# Altium PCB RFSoC-AMC.PcbDoc (part 7 of 12)
Units mm, origin at the board's own origin, x right, y up, seen from the top; angles counter-clockwise.
Board outline 180.55 x 148.45 mm, 10 copper layers (Layer 1, Layer 2, Layer 3, Layer 4, Layer 5, Layer 6, Layer 7, Layer 8, Layer 9, Layer 10), stack 1.544 mm thick; 793 components, 796 nets, 7654 pads, 16 vias.
Unrouted connection lines stored in the file: 2880.
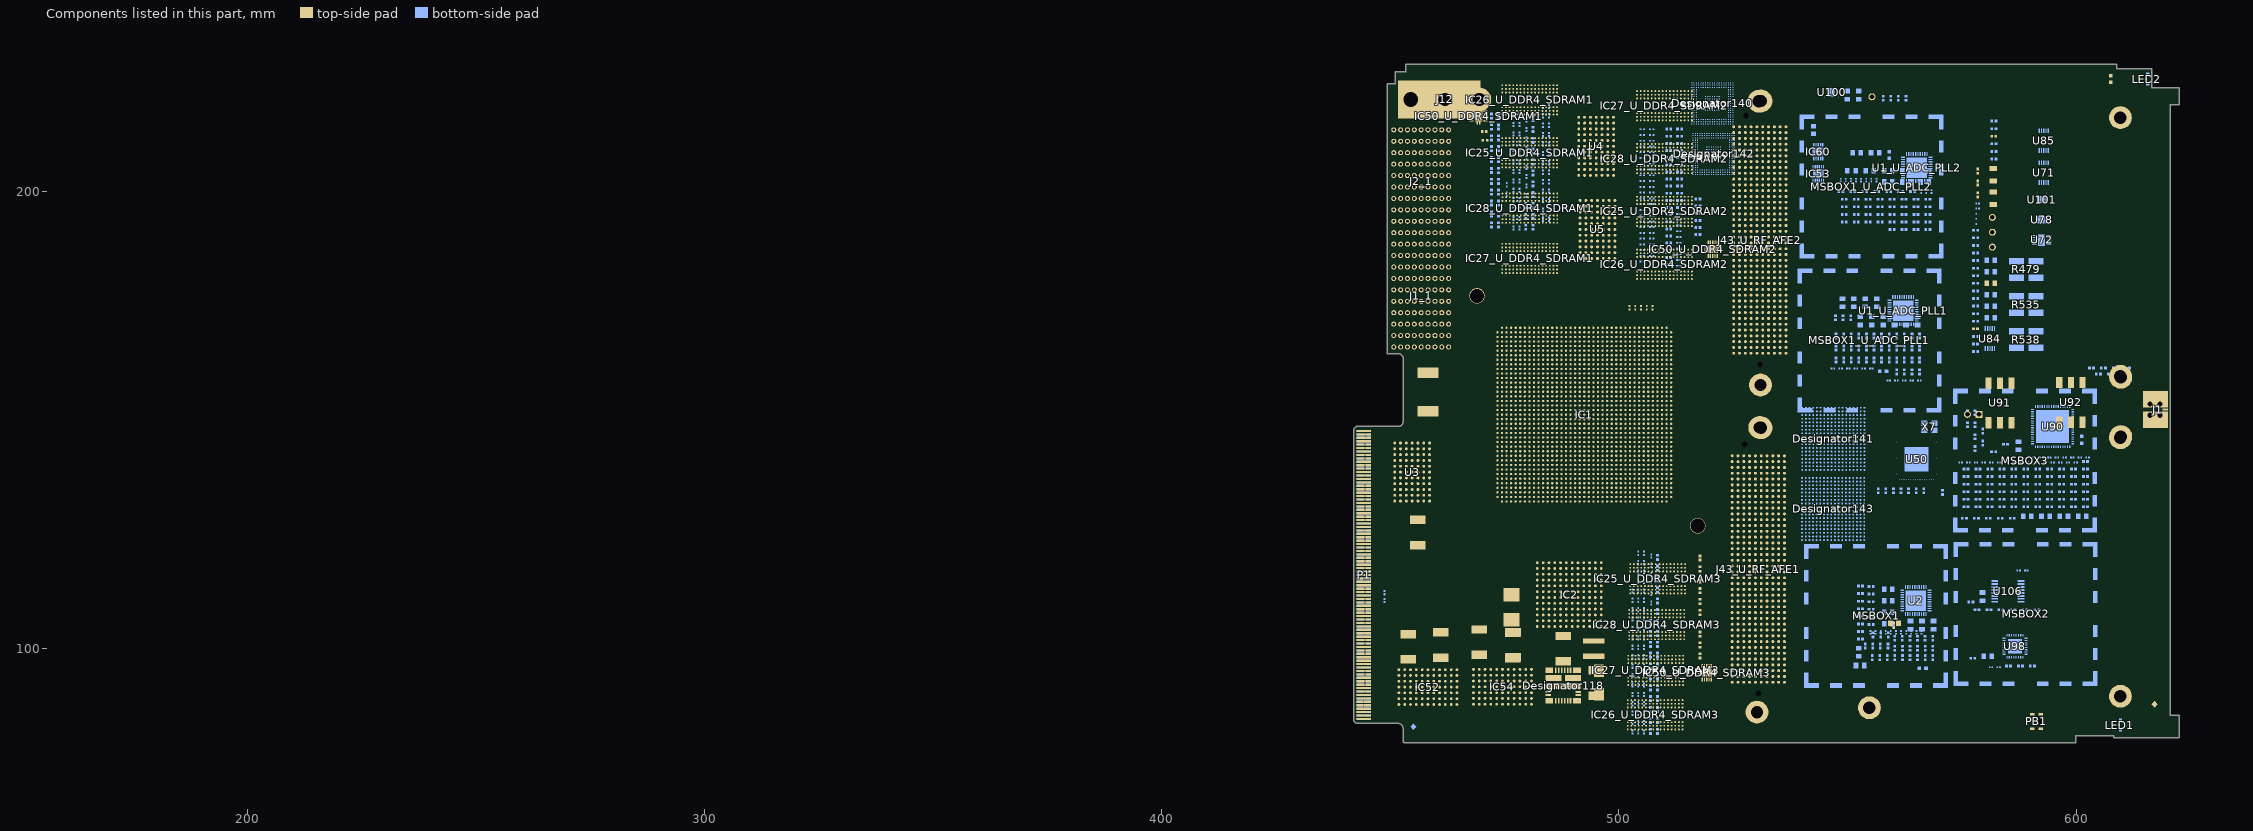
[diagram p15: the components of this part, seen from the top]

## Via types
v1: diameter 0.61, hole 0.3, Layer 1 to Layer 10, 11 vias
v2: diameter 0.51, hole 0.25, Layer 1 to Layer 10, 3 vias
v3: diameter 0.48, hole 0.25, Layer 1 to Layer 10, 2 vias

## Nets (pads, with @x,y where several pads share a name; then routed paths per layer and width w, separated by ;. In a path a pad name is that pad's centre, name@x,y a point inside that pad or via, vN(x,y) a via of type N, cw(c..) or ccw(c..) an arc to the next point about the centre after c; other vN are vias at no path point) (continued)
pads on no net: U4.B2 U4.B3 U4.B4 U4.B5 U4.B6 U4.B7 U4.C1 U4.C2 U4.C3 U4.C4 U4.C5 U4.C6 U4.C7 U4.D1 U4.D2 U4.D3 U4.D4 U4.D5 U4.D6 U4.D7 U4.E1 U4.E2 U4.E3 U4.E4 U4.E5 U4.E6 U4.E7 U4.F1 U4.F2 U4.F3 U4.F4 U4.F5 U4.F6 U4.F7 U4.G1 U4.G2 U4.G3 U4.G4 U4.G5 U4.G6 U4.G7 U4.H1 U4.H2 U4.H3 U4.H4 U4.H5 U4.H6 U4.H7 U4.J1 U4.J2 U4.J3 U4.J4 U4.J5 U4.J6 U4.J7 U4.K1 U4.K2 U4.K3 U4.K4 U4.K5 U4.K6 U4.K7 U4.L1 U4.L2 U4.L3 U4.L4 U4.L5 U4.L6 U4.L7 U5.A1 U5.A2 U5.A3 U5.A4 U5.A5 U5.A6 U5.A7 U5.B1 U5.B2 U5.B3 U5.B4 U5.B5 U5.B6 U5.B7 U5.C1 U5.C2 U5.C3 U5.C4 U5.C5 U5.C6 U5.C7 U5.D1 U5.D2 U5.D3 U5.D4 U5.D5 U5.D6 U5.D7 U5.E1 U5.E2 U5.E3 U5.E4 U5.E5 U5.E6 U5.E7 U5.F1 U5.F2 U5.F3 U5.F4 U5.F5 U5.F6 U5.F7 U5.G1 U5.G2 U5.G3 U5.G4 U5.G5 U5.G6 U5.G7 U5.H1 U5.H2 U5.H3 U5.H4 U5.H5 U5.H6 U5.H7 U5.J1 U5.J2 U5.J3 U5.J4 U5.J5 U5.J6 U5.J7 U5.K1 U5.K2 U5.K3 U5.K4 U5.K5 U5.K6 U5.K7 U5.L1 U5.L2 U5.L3 U5.L4 U5.L5 U5.L6 U5.L7 U50.1 U50.2 U50.5 U50.11 U50.12 U50.14 U50.15 U50.20 U50.21 U50.25 U50.27 U50.28 U50.37 U50.38 U50.47 U50.48 U50.50 U50.51 U50.53 U50.54 U50.55 U50.56 U50.58 U50.61 U50.62 U50.63 U50.64 U72.3 U72.8 U78.8 U90.1 U90.2 U90.5 U90.6 U90.7 U90.8 U90.9 U90.15 U90.16 U90.19 U90.20 U90.31 U90.32 U90.39 U90.40 U90.50 U90.51 U90.55 U90.56 U90.60 U90.61 U90.62 U90.63 U91.2 U91.5 U92.1 U92.2 U92.5 U98.3 U98.4 U98.11 U98.12 U98.25 U98.26 U98.27 U98.29 U98.31 U100.8 U101.8 U106.8 U106.10
copper on no net:
  other v2: 583.566,110.544

## Polygon pours and split planes (outlines as drawn)
P12V0 on Layer 10 "Layer 10-P12V0" (solid, shelved, pour order 219): 345.85,157.93 345.85,175.93 335.1,175.93 335.1,164.18 341.35,164.18 341.35,157.93
P3V3MP on Layer 10 "Layer 10-P3V3MP" (solid, shelved, pour order 36): 340.6,163.68 340.6,161.18 339.35,161.18 339.35,161.93 338.6,162.68 331.35,162.68 331.35,163.68
no net on Layer 10 "Layer 10-P2V0" (solid, shelved, pour order 235): 274.85,218.68 274.85,220.93 188.1,220.93 188.1,217.68 195.6,217.68 195.6,216.43 270.6,216.43 270.6,218.68
no net on Layer 10 "Layer 10-P1V0" (solid, shelved, pour order 234): 17 vertices, not listed, extent 268.35,180.58 283.1,219.93
no net on Layer 10 "Layer 10-P3V3CLKM" (solid, shelved, pour order 231): 306.35,79.93 306.35,142.68 312.1,142.68 312.35,135.68 309.1,135.68 309.417,104.908 309.6,104.93 309.6,83.93 312.6,83.93 312.683,79.93
QSPI2_DQ3 on Layer 10 "Layer 10-GND" (solid, shelved, pour order 217): 303.85,218.68 310.6,218.68 310.6,202.68 301.35,202.68 301.35,214.43 303.85,214.43
no net on Layer 10 "Layer 10-P1V8F" (solid, shelved, pour order 216): 290.1,194.68 295.1,194.68 296.1,193.68 299.85,193.68 299.85,186.93 297.6,186.93 297.6,174.93 291.6,174.93 291.6,192.93 290.1,192.93
N6V0A on Layer 10 "Layer 10-N6V0A" (solid, shelved, pour order 210): 21 vertices, not listed, extent 272.85,152.68 313.1,162.43
no net on Layer 10 "Layer 10-P2V0 1" (solid, shelved, pour order 207): 599.848,136.464 592.598,136.464 592.598,121.964 599.848,121.964
QSPI2_DQ3 on Layer 10 "Layer 10-GND 1" (solid, shelved, pour order 206): 304.35,202.43 310.35,202.43 310.35,184.43 305.35,184.43 305.35,189.18 304.6,189.18 304.6,194.68 303.6,194.68 303.6,198.43 304.35,198.43
no net on Layer 10 "Layer 10-P2V0 2" (solid, shelved, pour order 204): 183.35,95.18 190.6,95.18 190.6,109.18 183.35,109.18
P3V3MP on Layer 10 "Layer 10-P3V3MP 1" (solid, shelved, pour order 203): 18 vertices, not listed, extent 221.6,208.18 252.85,216.43
P12V0A on Layer 10 "Layer 10-P12V0A" (solid, shelved, pour order 199): 23 vertices, not listed, extent 263.35,170.43 271.85,203.93
no net on Layer 10 "Layer 10-P3V3_CLKDIS2" (solid, shelved, pour order 197): 211.1,78.68 211.1,74.43 193.392,74.43 191.933,75.68 185.1,75.68 185.1,77.43 187.1,77.43 189.6,79.68 189.6,81.68 191.35,81.68 196.35,76.68 208.6,76.68 208.6,78.68
no net on Layer 10 "Layer 10-P2V0 3" (solid, shelved, pour order 195): 220.51,101.976 220.51,109.226 211.01,109.226 211.01,101.976
no net on Layer 10 "Layer 10-PVDD12" (solid, shelved, pour order 194): 582.761,185.688 585.761,185.688 585.761,190.938 582.511,190.938 582.511,194.688 586.011,194.688 586.011,193.188 587.261,191.938 590.511,191.938 590.511,182.438 582.761,182.438
no net on Layer 10 "Layer 10-P2V0 4" (solid, shelved, pour order 193): 600.598,109.214 593.348,109.214 593.348,99.964 600.598,99.964
no net on Layer 10 "Layer 10-P4V0_LDO_IN5" (solid, shelved, pour order 192): 547.095,97.045 554.845,97.045 554.845,105.545 547.095,105.545
P3V3MP on Layer 10 "Layer 10-P3V3MP 2" (solid, shelved, pour order 187): 220.85,206.68 214.35,206.68 211.35,209.68 211.35,211.18 206.6,211.18 206.6,212.68 220.85,212.68
no net on Layer 10 "Layer 10-P4V0" (solid, shelved, pour order 183): 210.026,84.869 220.35,84.869 220.35,90.18 210.026,90.18
P1V8 on Layer 10 "Layer 10-P1V8" (solid, shelved, pour order 180): 198.35,210.43 198.35,209.18 206.35,209.18 214.6,200.93 214.6,199.68 212.6,199.68 212.6,200.93 205.85,207.68 203.6,207.68 203.6,204.68 197.6,204.68 197.6,206.93 196.85,206.93 196.85,210.43
no net on Layer 10 "Layer 10-PVDD12_10" (solid, shelved, pour order 178): 590.666,102.815 590.666,104.315 588.916,106.065 585.416,106.065 585.416,110.315 594.166,110.315 594.166,102.815
no net on Layer 10 "Layer 10-PLLVDD12" (solid, shelved, pour order 177): 192.35,125.43 192.35,124.18 196.85,124.18 196.85,118.68 188.1,118.68 188.1,122.68 189.6,122.68 189.6,125.43
no net on Layer 10 "Layer 10-XR77129ILB_F_VOUT2" (solid, shelved, pour order 176): 515.035,110.005 515.035,114.755 505.285,114.755 505.285,110.005
no net on Layer 10 "Layer 10-P3V3FEM_7" (solid, shelved, pour order 175): 261.85,164.43 261.85,156.43 263.1,156.43 263.1,153.43 265.1,151.43 264.85,149.68 268.35,149.68 268.35,151.93 265.85,154.18 264.85,155.18 264.85,162.93 265.6,162.93 265.6,164.43
no net on Layer 10 "Layer 10-SVDD12_9" (solid, shelved, pour order 174): 189.6,106.93 195.85,106.93 195.85,109.93 199.1,109.93 199.1,106.18 199.85,106.18 199.85,101.93 196.35,101.93 196.35,103.93 191.1,103.93 191.1,105.18 189.6,105.18
no net on Layer 10 "Layer 10-SDVDD12_9" (solid, shelved, pour order 173): 196.35,129.93 196.35,132.68 196.6,132.68 196.6,133.43 199.6,133.43 199.6,126.18 191.35,126.18 191.35,127.68 190.85,128.18 189.85,128.18 189.85,129.93
no net on Layer 10 "Layer 10-VCCAUX" (solid, shelved, pour order 171): 283.8,176.83 286.1,176.83 286.1,174.63 293.45,174.486 293.45,170.969 288.85,170.945 288.85,170.13 285.8,170.13 285,169.13 284.1,169.03 284.1,175.23 283.6,175.23 283.6,176.73
no net on Layer 10 "Layer 10-P4V0 1" (solid, shelved, pour order 170): 298.85,184.43 298.85,186.43 299.85,186.43 299.85,192.43 305.1,192.43 305.1,184.43
QSPI2_DQ3 on Layer 10 "Layer 10-GND 2" (solid, shelved, pour order 169): 587.098,121.714 583.098,121.714 583.098,110.714 587.098,110.714
no net on Layer 10 "Layer 10-P6V0AFEM_6" (solid, shelved, pour order 168): 245.256,210.1 249.006,210.1 249.006,202.6 249.756,202.6 249.756,199.1 245.256,199.1
no net on Layer 10 "Layer 10-SDVDD12" (solid, shelved, pour order 167): 592.598,102.214 592.598,103.214 589.098,103.214 589.098,101.964 587.348,101.964 587.348,100.964 583.848,97.464 581.848,97.464 581.848,100.214 582.848,101.214 582.848,104.464 595.348,104.464 595.348,102.214
no net on Layer 10 "Layer 10-P6V0_Buck" (solid, shelved, pour order 166): 315.85,152.68 313.35,152.68 313.35,160.18 312.6,160.18 312.6,160.43 310.6,160.43 310.6,164.93 315.85,164.93
no net on Layer 10 "Layer 10-P6V0" (solid, shelved, pour order 165): 318.1,148.43 322.85,148.43 322.85,157.43 318.1,157.43
no net on Layer 10 "Layer 10-SIOVDD33_10" (solid, shelved, pour order 163): 589.848,115.214 589.848,113.964 587.348,113.964 587.348,121.714 593.348,121.714 593.348,115.214
no net on Layer 10 "Layer 10-SIOVDD33" (solid, shelved, pour order 161): 191.35,116.93 194.35,116.93 194.35,117.93 196.85,117.93 196.85,110.43 190.6,110.43 190.6,114.18 191.35,114.18
no net on Layer 10 "Layer 10-MGTAVTT" (solid, shelved, pour order 160): 277.1,185.93 277.1,182.43 278.1,182.43 278.1,180.18 276.35,180.18 276.35,178.93 277.35,178.93 277.35,176.93 272.85,176.93 272.85,185.93
no net on Layer 10 "Layer 10-SVDD12" (solid, shelved, pour order 159): 17 vertices, not listed, extent 189.782,199.829 200.282,206.829
no net on Layer 10 "Layer 10-DVDD12_10" (solid, shelved, pour order 158): 590.416,97.315 590.416,99.565 586.666,99.565 586.666,98.065 582.916,98.065 582.916,102.315 590.166,102.315 590.916,101.565 591.916,101.565 591.916,100.565 593.916,100.565 593.916,97.315
no net on Layer 10 "Layer 10-P4V0 2" (solid, shelved, pour order 157): 220.85,92.68 227.1,92.68 227.1,98.93 220.85,98.93
no net on Layer 10 "Layer 10-P4V0_LDO_IN4" (solid, shelved, pour order 154): 214.1,81.43 214.1,79.68 207.85,79.68 207.85,76.68 202.1,76.68 202.1,81.43
no net on Layer 10 "Layer 10-P4V0 3" (solid, shelved, pour order 153): 210.76,101.976 210.76,109.226 205.51,109.226 205.51,101.976
no net on Layer 10 "Layer 10-P2V0 5" (solid, shelved, pour order 152): 183.35,203.43 190.6,203.43 190.6,208.68 183.35,208.68
no net on Layer 10 "Layer 10-P4V0 4" (solid, shelved, pour order 151): 600.598,99.714 593.348,99.714 593.348,94.464 600.598,94.464
no net on Layer 10 "Layer 10-P2V0 6" (solid, shelved, pour order 150): 205.26,101.976 205.26,109.226 200.01,109.226 200.01,101.976
no net on Layer 10 "Layer 10-P4V0 5" (solid, shelved, pour order 148): 564.398,197.053 564.398,201.303 566.148,201.303 566.148,207.303 562.648,207.303 562.648,201.553 560.898,201.553 560.898,197.053
no net on Layer 10 "Layer 10-P12V0AFEM" (solid, shelved, pour order 147): 257.6,131.93 264.85,131.93 267.85,128.63 267.85,127.93 270.1,127.93 270.1,122.68 266.6,122.68 266.6,127.43 263.873,130.43 257.6,130.43
no net on Layer 10 "Layer 10-P12V0AFEM_2" (solid, shelved, pour order 146): 257.35,98.93 264.6,98.93 267.6,95.63 267.6,94.93 269.85,94.93 269.85,89.68 266.35,89.68 266.35,94.43 263.623,97.43 257.35,97.43
no net on Layer 10 "Layer 10-P6V0AFEM_7" (solid, shelved, pour order 145): 265.6,175.68 265.6,171.93 263.1,171.93 263.1,170.18 262.1,170.18 262.1,166.18 258.85,166.18 258.85,172.68 260.6,172.68 260.6,173.43 262.6,173.43 262.6,175.68
no net on Layer 10 "Layer 10-P6V0AFEM_2" (solid, shelved, pour order 144): 265.6,109.43 265.6,105.68 263.1,105.68 263.1,103.93 262.1,103.93 262.1,99.93 258.85,99.93 258.85,106.43 260.6,106.43 260.6,107.18 262.6,107.18 262.6,109.43
no net on Layer 10 "Layer 10-P6V0AFEM" (solid, shelved, pour order 142): 265.85,142.43 265.85,138.68 263.35,138.68 263.35,136.93 262.35,136.93 262.35,132.93 259.1,132.93 259.1,139.43 260.85,139.43 260.85,140.18 262.85,140.18 262.85,142.43
no net on Layer 10 "Layer 10-DVDD12" (solid, shelved, pour order 141): 577.511,184.938 578.511,184.938 578.511,186.688 580.261,186.688 580.261,190.188 578.761,190.188 578.761,194.688 582.261,194.688 582.261,186.438 580.761,184.938 580.761,182.688 577.511,182.688
no net on Layer 10 "Layer 10-P3V3_CLKDIS5" (solid, shelved, pour order 140): 537.33,185.702 540.58,185.702 540.58,196.452 537.33,196.452
no net on Layer 10 "Layer 10-P2V0 7" (solid, shelved, pour order 139): 299.6,194.68 304.1,194.68 304.1,202.43 299.6,202.43
no net on Layer 10 "Layer 10-P3V3FEM_6" (solid, shelved, pour order 138): 245.256,183.6 250.506,183.6 250.506,190.1 245.256,190.1
no net on Layer 10 "Layer 10-PLLVDD12_10" (solid, shelved, pour order 137): 592.598,106.464 592.598,107.964 588.598,107.964 588.598,105.714 584.098,105.714 584.098,108.923 585.048,109.714 595.348,109.714 595.348,106.464
no net on Layer 10 "Layer 10-XR77129ILB_F_VOUT4" (solid, shelved, pour order 135): 286.6,188.43 286.6,191.43 280.35,191.43 280.35,193.93 289.85,193.93 289.85,188.43
no net on Layer 10 "Layer 10-P3V3FEM_2" (solid, shelved, pour order 133): 261.85,96.43 261.85,95.93 263.85,94.18 263.85,86.68 269.35,86.68 269.35,89.43 266.1,89.43 266.1,94.43 263.6,97.18 261.85,97.18
no net on Layer 10 "Layer 10-P3V3FEM" (solid, shelved, pour order 132): 262.1,129.43 262.1,128.93 264.1,127.18 264.1,119.68 269.6,119.68 269.6,122.43 266.35,122.43 266.35,127.43 263.85,130.18 262.1,130.18
no net on Layer 10 "Layer 10-P4V0 6" (solid, shelved, pour order 129): 233.85,91.808 238.126,91.808 238.126,99.18 233.85,99.18
QSPI2_DQ3 on Layer 10 "Layer 10-GND 3" (solid, shelved, pour order 127): 199.6,121.68 199.6,110.43 196.35,110.43 196.35,113.93 197.1,113.93 197.1,121.68
no net on Layer 10 "Layer 10-P4V0 7" (solid, shelved, pour order 126): 563.32,165.032 563.32,162.282 566.32,162.282 566.32,158.782 560.32,158.782 560.32,165.032
no net on Layer 10 "Layer 10-N6V0" (solid, shelved, pour order 125): 313.327,136.477 319.85,136.477 319.85,140.93 313.327,140.93
N12V0A on Layer 10 "Layer 10-N12V0A" (solid, shelved, pour order 124): 298.35,203.18 302.35,203.18 302.35,210.43 298.35,210.43
P3V3 on Layer 10 "Layer 10-P3V3" (solid, shelved, pour order 121): 305.1,74.93 312.6,74.93 312.6,78.68 305.1,78.68
no net on Layer 10 "Layer 10-P3V3F" (solid, shelved, pour order 120): 292.35,216.43 298.85,216.43 298.85,220.68 292.35,220.68
no net on Layer 10 "Layer 10-AVDD33_10" (solid, shelved, pour order 117): 588.598,97.964 584.598,97.964 583.598,96.964 580.098,96.964 580.098,93.714 584.598,93.714 586.098,95.214 588.598,95.214
no net on Layer 10 "Layer 10-P6V0_LDO_IN2" (solid, shelved, pour order 116): 462.168,96.617 462.168,99.017 459.068,99.017 459.068,103.617 463.968,103.717 463.968,96.617
no net on Layer 10 "Layer 10-IOVDD" (solid, shelved, pour order 115): 213.1,99.18 221.85,99.18 221.85,102.23 213.1,102.23
P12V0A on Layer 10 "Layer 10-P12V0A 1" (solid, shelved, pour order 114): 509.035,114.755 507.285,114.755 507.285,115.255 501.535,115.255 501.535,119.755 505.285,119.755 505.285,117.505 509.035,117.505
no net on Layer 10 "Layer 10-VTT_10" (solid, shelved, pour order 113): 576.598,108.964 576.598,112.214 577.598,112.214 577.848,112.464 577.848,120.964 576.598,120.964 576.598,122.964 579.598,122.964 579.598,118.964 578.598,118.964 578.598,112.964 579.848,112.964 579.848,108.964
no net on Layer 10 "Layer 10-VTT" (solid, shelved, pour order 112): 206.85,123.43 206.85,120.18 205.85,120.18 205.6,119.93 205.6,111.43 206.85,111.43 206.85,109.43 203.85,109.43 203.85,113.43 204.85,113.43 204.85,119.43 203.6,119.43 203.6,123.43
no net on Layer 10 "Layer 10-XR77129ILB_F_VOUT1" (solid, shelved, pour order 109): 279.1,216.68 279.1,219.93 282.1,219.93 282.1,218.93 289.1,218.93 289.1,216.68
no net on Layer 10 "Layer 10-P4V0 8" (solid, shelved, pour order 107): 556.398,210.303 561.398,210.303 561.398,203.553 560.148,203.553 560.148,206.553 555.648,206.553 555.648,209.553
no net on Layer 10 "Layer 10-PSS_XRP_LX2" (solid, shelved, pour order 106): 509.085,105.955 509.19,111.355 513.085,111.355 513.085,105.155 509.085,105.255
no net on Layer 10 "Layer 10-P12V0AFEM_7" (solid, shelved, pour order 103): 268.6,169.18 268.6,164.68 258.1,164.68 258.1,165.93 265.35,165.93 265.35,169.18
N6V0A on Layer 10 "Layer 10-N6V0A 1" (solid, shelved, pour order 102): 314.35,141.18 319.6,141.18 319.6,145.68 314.35,145.68
no net on Layer 10 "Layer 10-ADC_DVDD" (solid, shelved, pour order 101): 232.3,86.63 235.3,86.63 235.3,88.13 239.3,88.13 239.3,84.88 236.05,84.88 236.05,83.63 232.3,83.63
no net on Layer 10 "Layer 10-CVDD12_10" (solid, shelved, pour order 100): 191.6,206.18 191.6,206.93 194.85,206.93 194.85,202.93 188.6,202.93 188.6,206.18
P3V3 on Layer 10 "Layer 10-P3V3 1" (solid, shelved, pour order 99): 265.1,146.68 265.1,145.43 267.85,145.43 267.85,148.68 258.35,148.68 258.35,146.68
QSPI2_DQ3 on Layer 10 "Layer 10-GND 4" (solid, shelved, pour order 96): 548.737,194.184 551.987,194.184 551.987,200.934 548.737,200.934
no net on Layer 10 "Layer 10-CVDD12" (solid, shelved, pour order 95): 200.01,112.476 205.51,112.476 205.51,107.726 203.01,107.726 203.01,109.226 200.01,109.226
P3V3MP on Layer 10 "Layer 10-P3V3MP 3" (solid, shelved, pour order 93): 548.025,173.607 550.525,173.607 550.525,164.357 551.025,164.357 551.025,163.107 546.525,163.107 546.525,164.357 549.525,164.357 549.525,169.357 548.025,169.357
no net on Layer 10 "Layer 10-P3V3_CLKDIS5_1" (solid, shelved, pour order 91): 566.275,177.607 566.275,174.857 561.025,174.857 561.025,175.857 558.025,175.857 558.025,178.107 561.025,178.107 561.025,177.607
P12V0 on Layer 10 "Layer 10-P12V0 1" (solid, shelved, pour order 88): 508.285,103.505 508.285,107.005 502.285,107.005 502.285,103.505
no net on Layer 10 "Layer 10-XR77129ILB_F_VOUT3" (solid, shelved, pour order 87): 297.6,201.68 297.6,197.43 299.6,197.43 299.6,195.18 295.1,195.18 295.1,201.68
no net on Layer 10 "Layer 10-P4V0 9" (solid, shelved, pour order 86): 553.898,202.303 553.898,205.553 549.648,205.553 549.648,208.553 555.148,208.553 555.148,202.303
no net on Layer 10 "Layer 10-P4V0_LDO_IN6" (solid, shelved, pour order 85): 288.35,139.68 289.6,139.68 289.6,141.43 293.1,141.43 293.1,135.43 290.35,135.43 290.35,138.43 288.35,138.43
QSPI2_DQ3 on Layer 10 "Layer 10-GND 5" (solid, shelved, pour order 84): 550.237,208.184 552.237,208.184 553.487,206.934 553.487,201.434 550.487,201.434 550.487,204.934 550.237,204.934
no net on Layer 10 "Layer 10-N6V0AFEM" (solid, shelved, pour order 83): 270.85,138.18 270.85,133.43 270.6,133.18 265.6,133.18 265.6,133.93 266.35,133.93 266.35,135.43 267.35,135.43 267.35,138.18
no net on Layer 10 "Layer 10-N6V0AFEM_2" (solid, shelved, pour order 82): 270.6,105.18 270.6,100.43 270.35,100.18 265.35,100.18 265.35,100.93 266.1,100.93 266.1,102.43 267.1,102.43 267.1,105.18
no net on Layer 10 "Layer 10-N6V0AFEM_6" (solid, shelved, pour order 81): 513.842,81.293 513.842,84.505 507.535,84.505 507.535,81.293
QSPI2_DQ3 on Layer 10 "Layer 10-GND 6" (solid, shelved, pour order 78): 282.35,219.18 289.1,219.18 289.1,216.93 291.1,216.93 291.1,220.93 282.35,220.93
P12V0A on Layer 10 "Layer 10-P12V0A 2" (solid, shelved, pour order 77): 302.1,161.18 307.35,161.18 307.35,164.93 302.1,164.93
P12V0 on Layer 10 "Layer 10-P12V0 2" (solid, shelved, pour order 76): 288.35,200.93 289.85,200.93 289.85,197.43 294.1,197.43 294.1,194.93 288.35,194.93
no net on Layer 10 "Layer 10-P5V0_CLK" (solid, shelved, pour order 75): 457.468,98.717 457.468,93.717 461.368,93.717 461.368,98.717
no net on Layer 10 "Layer 10-ADC_1V8_LDO2_11" (solid, shelved, pour order 74): 550.769,164.666 550.769,168.666 558.019,168.666 558.019,166.416 552.519,166.416 552.519,164.666
no net on Layer 10 "Layer 10-N12V0AFEM" (solid, shelved, pour order 73): 265.6,131.68 267.85,129.18 267.85,128.18 270.85,128.18 270.85,132.93 267.1,132.93 266.1,132.18 265.6,132.18
no net on Layer 10 "Layer 10-N12V0AFEM_2" (solid, shelved, pour order 72): 265.35,98.68 267.6,96.18 267.6,95.18 270.6,95.18 270.6,99.93 266.85,99.93 265.85,99.18 265.35,99.18
no net on Layer 10 "Layer 10-AVDD33" (solid, shelved, pour order 67): 196.6,135.18 196.6,137.18 199.6,137.18 199.6,133.68 196.35,133.68 196.35,132.93 193.1,132.93 193.1,135.18
no net on Layer 10 "Layer 10-DAC_3V3_LDO" (solid, shelved, pour order 66): 592.598,96.964 591.098,98.464 588.598,98.464 588.598,98.214 586.598,98.214 586.598,99.964 595.098,99.964 595.098,96.964
no net on Layer 10 "Layer 10-P3V3_CLKDIS5_2" (solid, shelved, pour order 65): 569.147,100.651 569.147,98.651 563.897,98.651 563.897,97.901 561.147,97.901 561.147,100.651
no net on Layer 10 "Layer 10-P12V0ACLKM" (solid, shelved, pour order 62): 302.85,144.43 302.85,143.68 302.1,143.43 302.1,142.93 302.6,142.93 302.6,138.43 299.6,138.43 299.6,143.43 300.85,144.43
no net on Layer 10 "Layer 10-N6V0ACLKM" (solid, shelved, pour order 61): 308.971,148.93 312.1,148.93 312.1,154.43 308.971,154.43
no net on Layer 10 "Layer 10-P12V0AFEM_6" (solid, shelved, pour order 60): 267.35,198.93 267.35,197.43 259.85,197.43 259.85,196.43 257.6,196.43 257.6,198.93
no net on Layer 10 "Layer 10-P7V0_URFB" (solid, shelved, pour order 59): 314.6,147.554 317.85,147.554 317.85,152.68 314.6,152.68
no net on Layer 10 "Layer 10-SVDD_12" (solid, shelved, pour order 58): 555.398,199.803 557.898,199.803 557.898,198.803 559.648,198.803 559.648,195.553 555.398,195.553
no net on Layer 10 "Layer 10-ADC_1V8_LDO2" (solid, shelved, pour order 47): 558.898,205.053 558.898,201.803 557.148,201.803 557.148,200.053 555.398,200.053 555.398,205.053
no net on Layer 10 "Layer 10-1.8V_DRVDD" (solid, shelved, pour order 46): 228.2,96.03 225.1,96.03 225.1,97.13 224.3,97.13 224.3,99.73 228.2,99.73
no net on Layer 10 "Layer 10-N12V0ACLKM" (solid, shelved, pour order 44): 309.1,148.68 312.1,148.68 312.1,144.43 309.35,144.43 308.6,143.68 308.6,144.43 309.1,145.097
no net on Layer 10 "Layer 10-P3V3_CLKDIS6" (solid, shelved, pour order 42): 510.861,216.982 513.861,216.982 513.861,221.232 510.861,221.232
P1V2 on Layer 10 "Layer 10-P1V2" (solid, shelved, pour order 40): 285.6,183.93 289.4,183.93 289.4,187.23 285.6,187.23
no net on Layer 10 "Layer 10-P6V0ACLKM" (solid, shelved, pour order 39): 302.85,148.68 299.85,148.68 299.85,143.93 300.6,143.93 301.6,144.93 302.85,144.93
QSPI2_DQ3 on Layer 10 "Layer 10-GND 7" (solid, shelved, pour order 38): 508.035,96.255 508.035,99.005 503.535,99.005 503.535,96.255
no net on Layer 10 "Layer 10-1.8V_DRVDD_12" (solid, shelved, pour order 35): 549.648,200.303 552.898,200.303 552.898,203.803 549.648,203.803
no net on Layer 10 "Layer 10-N6V0_Buck" (solid, shelved, pour order 33): 320.1,136.68 322.6,136.68 322.6,141.18 320.1,141.18
no net on Layer 10 "Layer 10-1.8V_AVDD_12" (solid, shelved, pour order 32): 561.648,195.303 563.148,195.303 563.148,196.053 566.398,196.053 566.398,193.553 561.648,193.553
no net on Layer 10 "Layer 10-P3V3_CLKDIS4" (solid, shelved, pour order 31): 290.1,143.68 293.35,143.68 293.35,146.93 290.1,146.93
no net on Layer 10 "Layer 10-DAC_3V3_LDO_9" (solid, shelved, pour order 30): 211.51,107.726 211.51,110.976 208.26,110.976 208.26,107.726
N6V0A on Layer 10 "Layer 10-N6V0A 2" (solid, shelved, pour order 26): 312.1,148.93 314.6,148.93 314.6,152.68 312.1,152.68
no net on Layer 10 "Layer 10-1.8V_DRVDD 1" (solid, shelved, pour order 24): 568.57,157.782 568.57,153.032 567.57,153.032 567.57,153.782 566.57,153.782 566.57,157.782
no net on Layer 10 "Layer 10-DAC_3V3_LDO 1" (solid, shelved, pour order 23): 593.848,115.214 589.598,115.214 589.598,113.214 593.848,113.214
QSPI2_DQ3 on Layer 10 "Layer 10-GND 8" (solid, shelved, pour order 22): 289.85,201.43 294.1,201.43 294.1,202.93 292.6,202.93 292.6,203.68 289.85,203.68
no net on Layer 10 "Layer 10-N12V0AFEM_7" (solid, shelved, pour order 21): 265.6,156.952 269.379,156.952 269.379,159.18 265.6,159.18
P12V0A on Layer 10 "Layer 10-P12V0A 3" (solid, shelved, pour order 20): 507.275,221.111 510.025,221.111 510.025,224.111 507.275,224.111
no net on Layer 10 "Layer 10-1.8V_DVDD_12" (solid, shelved, pour order 19): 557.398,201.803 560.648,201.803 560.648,199.053 558.148,199.053 558.148,200.303 557.398,200.303
no net on Layer 10 "Layer 10-VCC2_OUT" (solid, shelved, pour order 17): 562.525,170.257 564.025,170.257 564.025,168.957 564.425,168.957 564.425,165.757 563.625,165.757 563.625,166.957 563.025,166.957 563.025,167.957 561.525,167.957 561.525,169.457 562.525,169.457
no net on Layer 10 "Layer 10-P4V0 10" (solid, shelved, pour order 16): 505.775,179.361 508.525,179.361 508.525,182.111 505.775,182.111
no net on Layer 10 "Layer 10-ADC_1V8_LDO_12" (solid, shelved, pour order 15): 562.398,197.803 562.398,196.803 563.148,196.803 563.148,195.053 560.148,195.053 560.148,197.803
no net on Layer 10 "Layer 10-ADC_1V8_LDO" (solid, shelved, pour order 14): 564.615,133.525 566.915,133.525 566.915,136.625 564.615,136.625
no net on Layer 10 "Layer 10-N6V0AFEM_7" (solid, shelved, pour order 13): 266.622,159.406 269.35,159.406 269.35,161.68 266.622,161.68
QSPI2_DQ3 on Layer 10 "Layer 10-GND 9" (solid, shelved, pour order 10): 507.485,106.755 507.485,110.055 508.985,110.055 508.985,106.355 507.485,106.355
no net on Layer 10 "Layer 10-DAC_3V3_LDO_9 1" (solid, shelved, pour order 5): 190.1,117.18 194.1,117.18 194.1,118.43 190.1,118.43
QSPI2_DQ3 on Layer 10 "Layer 10-GND 10" (solid, shelved, pour order 4): 559.925,168.457 561.425,168.457 561.425,171.257 559.925,171.257
no net on Layer 10 "Layer 10-P1V8F 1" (solid, shelved, pour order 0): 281.35,159.93 282.6,159.93 282.6,161.18 281.35,161.18
no net on Layer 10 "Layer 10-PSS_XRP_LX4" (solid, shelved, pour order 92): 282.35,193.977 286.1,193.977 286.1,199.637 282.35,199.637
no net on Layer 10 "Layer 10-PSS_XRP_LX3" (solid, shelved, pour order 89): 289.85,197.43 295.1,197.43 295.1,201.43 289.85,201.43
no net on Layer 10 "Layer 10-PSS_XRP_LX1" (solid, shelved, pour order 111): 508.785,98.755 508.785,103.255 503.035,103.255 503.035,98.755
no net on Layer 10 "Layer 10-ESDSTRIP2" (solid, shelved, pour order 54): 311.379,72.894 321.629,72.894 321.629,74.394 311.379,74.394
no net on Layer 10 "Layer 10-ESDSTRIP1" (solid, shelved, pour order 55): 311.379,72.894 321.629,72.894 321.629,74.394 311.379,74.394
no net on Layer 10 "Layer 10-ESDSTRIP1 1" (solid, shelved, pour order 118): 292.518,72.894 310.879,72.894 310.879,74.394 292.518,74.394
P12V0 on Layer 10 "Layer 10-P12V0 3" (solid, shelved, pour order 12): 513.485,109.955 515.085,109.955 514.985,105.955 513.485,105.955
P12V0 on Layer 10 "Layer 10-P12V0 4" (solid, shelved, pour order 18): 280.6,194.93 282.6,194.93 282.6,198.93 280.6,198.93
QSPI2_DQ3 on Layer 10 "Layer 10-GND 11" (solid, shelved, pour order 11): 286.35,195.18 288.1,195.18 288.1,198.68 286.35,198.68
QSPI2_DQ3 on Layer 10 "Layer 10-GND 12" (solid, shelved, pour order 225): 184.179,72.881 292.14,72.881 292.14,74.381 184.179,74.381
QSPI2_DQ3 on Layer 1 "Layer 1-GND 3" (solid, shelved, pour order 245): 21 vertices, not listed, extent 163.501,72.579 346,221.081
no net on Layer 1 "Layer 1-P6V0_Buck" (solid, shelved, pour order 215): 297.1,170.43 302.1,170.43 302.1,161.18 307.35,161.18 307.35,164.68 310.1,164.68 310.1,170.43 313.85,170.43 313.85,159.43 294.6,159.43 294.6,165.18 297.1,165.18
P12V0 on Layer 1 "Layer 1-P12V0" (solid, shelved, pour order 214): 331.6,201.18 331.6,183.43 324.85,183.43 324.85,186.43 323.6,186.43 323.6,189.93 324.85,189.93 324.85,197.43 323.6,197.43 323.6,201.18
no net on Layer 1 "Layer 1-N6V0_Buck" (solid, shelved, pour order 172): 324.35,176.68 324.35,173.68 326.85,173.68 326.85,171.43 324.35,171.43 324.35,168.18 331.85,168.18 331.85,173.43 327.6,173.43 327.6,176.68
QSPI2_DQ3 on Layer 1 "Layer 1-GND 4" (solid, shelved, pour order 230): 29 vertices, not listed, extent 308.35,183.43 326.6,203.68
QSPI2_DQ3 on Layer 1 "Layer 1-GND 5" (solid, shelved, pour order 229): 33 vertices, not listed, extent 317.85,161.18 331.6,183.18
QSPI2_DQ3 on Layer 1 "Layer 1-GND 6" (solid, shelved, pour order 227): 20 vertices, not listed, extent 295.55,161.43 317.6,176.93
QSPI2_DQ3 on Layer 1 "Layer 1-GND 7" (solid, shelved, pour order 224): 35 vertices, not listed, extent 307.1,202.68 324.85,219.68
N12V0A on Layer 1 "Layer 1-N12V0A" (solid, shelved, pour order 223): 306.35,159.18 306.35,154.93 270.1,154.68 270.1,159.18
P12V0A on Layer 1 "Layer 1-P12V0A" (solid, shelved, pour order 218): 271.35,154.439 306.6,154.68 306.6,159.18 310.35,159.18 310.35,151.93 308.85,151.93 308.85,149.93 296.85,149.93 294.35,151.93 271.35,151.93
P12V0 on Layer 1 "Layer 1-P12V0 1" (solid, shelved, pour order 208): 31 vertices, not listed, extent 295.6,174.93 317.1,183.68
no net on Layer 1 "Layer 1-P4V0_Buck" (solid, shelved, pour order 200): 318.35,189.68 318.35,183.43 304.85,183.43 304.85,192.93 312.1,192.93 312.1,190.93 308.1,190.93 308.1,185.93 313.1,185.93 313.1,189.68
no net on Layer 1 "Layer 1-P2V0_Buck" (solid, shelved, pour order 196): 318.1,202.43 318.1,197.68 312.6,197.68 312.6,200.18 308.6,200.18 308.6,195.68 312.1,195.68 312.1,193.18 307.35,193.18 307.35,194.68 304.85,194.68 304.85,202.43
P1V2 on Layer 1 "Layer 1-P1V2" (solid, shelved, pour order 191): 274.316,188.83 284.8,188.83 284.8,186.53 288.9,186.43 288.9,183.63 274.35,183.68
P6V0A on Layer 1 "Layer 1-P6V0A" (solid, shelved, pour order 188): 310.6,150.68 317.1,150.68 317.1,159.93 310.6,159.93
N6V0A on Layer 1 "Layer 1-N6V0A" (solid, shelved, pour order 186): 312.85,141.43 312.85,150.43 316.35,150.43 316.35,149.18 319.85,149.18 319.85,141.43
no net on Layer 1 "Layer 1-P3V3F" (solid, shelved, pour order 185): 285,189.43 285,190.73 290.2,190.73 290.2,193.83 296.8,193.83 296.8,195.03 302.4,195.03 302.4,192.53 298.4,192.45 298.4,191.43 292.6,191.434 292.6,187.43 285,187.43
P12V0 on Layer 1 "Layer 1-P12V0 2" (solid, shelved, pour order 184): 318.1,216.93 326.6,216.93 326.6,203.93 322.1,203.93 322.1,202.18 318.35,202.18 318.35,203.93 320.85,203.93 320.85,207.68 325.1,207.68 325.1,214.43 321.85,214.43 321.85,215.43 318.1,215.43
no net on Layer 1 "Layer 1-N12V0_Buck" (solid, shelved, pour order 179): 472.535,111.196 476.035,111.196 476.035,109.446 481.535,109.446 481.535,109.946 484.535,109.946 484.535,106.196 481.285,106.196 481.285,105.696 472.535,105.696
P3V3 on Layer 1 "Layer 1-P3V3" (solid, shelved, pour order 164): 270.85,194.18 272.1,192.93 272.1,190.43 273.85,190.43 273.85,187.93 274.85,187.93 274.85,186.93 271.35,186.93 270.6,187.68 270.6,188.43 270.35,188.68 267.85,188.68 265.35,191.18 265.35,194.18
no net on Layer 1 "Layer 1-P12V0_Buck" (solid, shelved, pour order 162): 472.785,118.196 476.535,118.196 476.55,116.196 481.535,116.196 481.535,117.946 484.285,117.946 484.285,115.096 481.135,115.096 481.135,113.146 472.785,113.146
no net on Layer 1 "Layer 1-XR77129ILB_F_VOUT2" (solid, shelved, pour order 156): 515.035,110.255 515.035,114.255 505.285,114.255 505.285,110.255
no net on Layer 1 "Layer 1-N6V0" (solid, shelved, pour order 155): 308.85,136.68 308.85,138.68 312.6,138.68 312.6,140.93 319.85,140.93 319.85,136.562
no net on Layer 1 "Layer 1-P4V0" (solid, shelved, pour order 149): 298.85,184.43 303.6,184.43 303.6,192.43 298.85,192.43
P12V0A on Layer 1 "Layer 1-P12V0A 1" (solid, shelved, pour order 143): 509.035,115.255 509.035,119.755 501.035,119.755 501.035,115.255
no net on Layer 1 "Layer 1-N6V0AFEM_6" (solid, shelved, pour order 136): 264.85,199.18 266.475,199.18 267.35,200.93 267.35,204.18 268.35,204.513 268.35,211.93 265.1,211.93 265.1,204.68 265.85,204.305 265.85,201.18 264.85,201.18
no net on Layer 1 "Layer 1-P3V3F 1" (solid, shelved, pour order 134): 270.1,188.43 270.6,188.18 270.6,187.43 271.35,186.68 272.35,186.68 272.35,183.43 265.1,183.43 265.1,188.43
no net on Layer 1 "Layer 1-P6V0" (solid, shelved, pour order 131): 318.1,149.481 322.641,149.481 322.641,156.68 318.1,156.68
no net on Layer 1 "Layer 1-P2V0 1" (solid, shelved, pour order 130): 299.6,195.23 304.1,195.23 304.1,202.43 299.6,202.43
N12V0A on Layer 1 "Layer 1-N12V0A 1" (solid, shelved, pour order 128): 298.35,203.18 302.6,203.18 302.6,210.43 298.35,210.43
P12V0 on Layer 1 "Layer 1-P12V0 3" (solid, shelved, pour order 123): 504.535,108.505 510.035,108.505 510.035,102.755 508.035,102.755 508.035,103.505 504.535,103.505
P12V0 on Layer 1 "Layer 1-P12V0 4" (solid, shelved, pour order 110): 317.1,166.93 321.35,166.93 321.35,163.93 319.6,163.93 319.6,161.18 314.1,161.18 314.1,163.18 317.1,163.18
P12V0 on Layer 1 "Layer 1-P12V0 5" (solid, shelved, pour order 105): 287.6,200.93 289.6,200.93 289.6,197.18 294.1,197.18 294.1,193.93 292.1,193.93 292.1,194.93 287.6,194.93
no net on Layer 1 "Layer 1-PSS_XRP_LX1" (solid, shelved, pour order 104): 508.285,98.755 508.285,103.755 503.535,103.755 503.535,98.755
no net on Layer 1 "Layer 1-N12V0AFEM_7" (solid, shelved, pour order 98): 264.85,165.93 266.35,165.03 266.35,159.18 269.35,159.18 269.35,155.43 264.85,155.43 264.85,157.18 265.35,157.18 265.35,164.93 264.85,165.43
no net on Layer 1 "Layer 1-PSS_XRP_LX3" (solid, shelved, pour order 80): 289.85,197.43 294.85,197.43 294.85,201.43 289.85,201.43
no net on Layer 1 "Layer 1-PSS_XRP_LX4" (solid, shelved, pour order 79): 282.35,194.18 286.35,194.18 286.35,199.18 282.35,199.18
no net on Layer 1 "Layer 1-PSS_XRP_LX2" (solid, shelved, pour order 71): 514.035,105.755 514.035,110.005 509.535,110.005 509.535,105.755
no net on Layer 1 "Layer 1-XR77129ILB_F_VOUT3" (solid, shelved, pour order 70): 295.1,201.68 297.6,201.68 297.6,197.43 299.1,197.43 299.1,195.18 296.1,195.18 296.1,195.93 295.1,195.93
no net on Layer 1 "Layer 1-N12V0AFEM_6" (solid, shelved, pour order 68): 270.6,197.18 270.6,194.68 267.6,194.68 267.6,196.18 265.85,196.18 265.85,197.93 265.1,197.93 265.1,198.93 270.6,198.93
no net on Layer 1 "Layer 1-XR77129ILB_F_VOUT1" (solid, shelved, pour order 64): 503.285,98.255 503.285,105.255 500.785,105.255 500.785,98.255
no net on Layer 1 "Layer 1-XR77129ILB_F_VOUT4" (solid, shelved, pour order 63): 281.9,190.93 287.5,190.93 287.5,194.03 281.9,194.03
P12V0 on Layer 1 "Layer 1-P12V0 6" (solid, shelved, pour order 56): 282.1,199.93 282.1,194.43 278.35,194.43 278.35,196.43 279.85,196.43 279.85,199.93
no net on Layer 1 "Layer 1-N6V0ACLKM" (solid, shelved, pour order 52): 309.1,151.93 312.1,151.93 312.1,148.43 311.6,148.43 311.6,146.18 310.1,146.18 309.1,145.68 309.1,146.18 309.85,146.68 309.85,148.43 309.1,148.43
no net on Layer 1 "Layer 1-N6V0AFEM_7" (solid, shelved, pour order 51): 265.225,167.805 268.35,164.68 268.35,161.68 269.35,161.68 269.35,159.43 266.6,159.43 266.6,165.18 264.754,167.334
QSPI2_DQ3 on Layer 1 "Layer 1-GND 8" (solid, shelved, pour order 48): 314.1,180.18 314.1,181.18 311.35,181.18 311.35,183.18 317.1,183.18 317.1,180.18
P12V0 on Layer 1 "Layer 1-P12V0 7" (solid, shelved, pour order 43): 317.85,183.18 317.85,178.18 321.6,178.18 321.6,179.93 319.85,179.93 319.85,183.18
P12V0 on Layer 1 "Layer 1-P12V0 8" (solid, shelved, pour order 34): 288.35,205.43 293.85,205.43 293.85,202.43 291.85,202.43 291.85,203.93 288.35,203.93
no net on Layer 1 "Layer 1-N12V0AFEM_6 1" (solid, shelved, pour order 29): 267.353,194.68 270.85,194.68 270.85,197.696 267.353,197.696
P1V8 on Layer 1 "Layer 1-P1V8" (solid, shelved, pour order 27): 216.4,102.03 219.9,102.03 219.9,104.83 216.4,104.83
QSPI2_DQ3 on Layer 1 "Layer 1-GND 9" (solid, shelved, pour order 9): 301.6,180.93 303.6,180.93 303.6,183.68 301.6,183.68
QSPI2_DQ3 on Layer 1 "Layer 1-GND 10" (solid, shelved, pour order 8): 314.1,163.43 316.85,163.43 316.85,165.43 314.1,165.43
no net on Layer 1 "Layer 1-N12V0ACLKM" (solid, shelved, pour order 1): 309.1,145.43 309.85,145.68 311.6,145.93 311.6,144.43 309.35,144.43 308.6,143.68 308.6,144.43 309.1,145.18
no net on Layer 1 "Layer 1-DAC_3V3_LDO_9" (solid, shelved, pour order 189): 193.6,135.68 193.6,127.93 192.35,127.93 192.35,119.18 194.1,119.18 194.1,116.93 189.85,116.93 189.85,135.68
no net on Layer 1 "Layer 1-DAC_3V3_LDO" (solid, shelved, pour order 190): 613.378,121.179 609.878,121.179 609.878,102.429 613.378,102.429
no net on Layer 1 "Layer 1-ESDSTRIP2" (solid, shelved, pour order 53): 311.379,72.894 321.629,72.894 321.629,74.394 311.379,74.394
no net on Layer 1 "Layer 1-ESDSTRIP1" (solid, shelved, pour order 119): 292.518,72.894 310.879,72.894 310.879,74.394 292.518,74.394
no net on Layer 1 "Layer 1-P3V3FEM_6" (solid, shelved, pour order 57): 249.506,196.6 249.506,190.1 246.756,190.1 246.756,187.1 250.256,187.1 250.256,195.6 250.756,196.1 250.756,196.6
no net on Layer 1 "Layer 1-N12V0AFEM_2" (solid, shelved, pour order 3): 265.35,99.18 265.35,98.68 266.35,97.68 267.6,97.68 267.6,99.93 266.85,99.93 265.85,99.18
no net on Layer 1 "Layer 1-N12V0AFEM" (solid, shelved, pour order 2): 265.6,132.18 265.6,131.68 266.6,130.68 267.85,130.68 267.85,132.93 267.1,132.93 266.1,132.18
no net on Layer 1 "Layer 1-N6V0AFEM_2" (solid, shelved, pour order 6): 265.35,100.93 265.35,100.18 268.1,100.18 268.1,102.43 266.1,102.43 266.1,100.93
no net on Layer 1 "Layer 1-N6V0AFEM_2 1" (solid, shelved, pour order 7): 265.6,133.93 265.6,133.18 268.35,133.18 268.35,135.43 266.35,135.43 266.35,133.93
no net on Layer 1 "Layer 1-P12V0ACLKM" (solid, shelved, pour order 37): 300.85,144.43 302.85,144.43 302.85,143.93 302.1,143.43 302.1,139.68 299.6,139.68 299.6,143.43
no net on Layer 1 "Layer 1-P3V3CLKM" (solid, shelved, pour order 25): 308.35,142.68 311.1,142.68 311.1,139.18 308.6,139.18 308.6,141.68 308.35,141.68
no net on Layer 1 "Layer 1-P6V0ACLKM" (solid, shelved, pour order 41): 299.85,148.68 302.85,148.68 302.85,144.93 301.6,144.93 300.85,143.93 299.85,143.93
P3V3MP on Layer 1 "Layer 1-P3V3MP" (solid, shelved, pour order 28): 238.006,207.6 240.506,210.1 240.506,212.35 239.506,212.35 239.506,210.6 237.006,208.1 237.006,203.35 238.006,203.35
QSPI2_DQ3 on Layer 1 "Layer 1-GND 11" (solid, shelved, pour order 226): 184.179,72.881 292.14,72.881 292.14,74.381 184.179,74.381
P12V0 on Layer 7 "Layer 7-P12V0" (solid, shelved, pour order 232): 332.35,158.18 345.85,158.18 345.85,175.43 332.35,175.43
no net on Layer 7 "Layer 7-N6V0_Buck" (solid, shelved, pour order 228): 319.35,137.18 322.6,137.18 322.6,157.93 331.6,157.93 331.6,168.18 331.85,168.18 331.85,173.43 327.1,173.43 327.1,162.43 319.35,162.43
P3V3MP on Layer 7 "Layer 7-P3V3MP" (solid, shelved, pour order 97): 328.35,189.68 329.6,189.68 329.6,184.43 332.35,181.68 332.35,162.93 331.6,162.93 331.6,168.43 331.85,168.43 331.85,173.93 331.6,173.93 331.6,181.43 328.35,184.68
P12V0 on Layer 7 "Layer 7-P12V0 1" (solid, shelved, pour order 240): 18 vertices, not listed, extent 287.35,191.18 326.85,220.68
no net on Layer 7 "Layer 7-P3V3CLKM" (solid, shelved, pour order 236): 313.35,82.93 304.1,82.93 304.1,134.43 307.35,134.43 307.35,142.93 315.35,142.93 315.35,122.93 309.35,122.93 309.35,87.18 314.35,87.18 314.35,82.93 313.1,82.93
P3V3MP on Layer 7 "Layer 7-P3V3MP 1" (solid, shelved, pour order 220): 243.1,73.68 261.35,73.68 261.35,82.18 243.1,82.18
P3V3MP on Layer 7 "Layer 7-P3V3MP 2" (solid, shelved, pour order 50): 589.761,197.688 589.761,209.938 588.761,210.938 588.761,211.438 590.761,211.438 590.761,197.688
P3V3MP on Layer 7 "Layer 7-P3V3MP 3" (solid, shelved, pour order 108): 19 vertices, not listed, extent 249.6,201.18 277.35,206.68
P1V8 on Layer 7 "Layer 7-P1V8" (solid, shelved, pour order 211): 189.8,211.83 207.4,211.93 207.4,204.93 189.2,205.03 189.2,211.83
P1V8 on Layer 7 "Layer 7-P1V8 1" (solid, shelved, pour order 202): 219.9,101.93 191.3,101.93 191.3,105.339 219.9,105.23
P12V0A on Layer 7 "Layer 7-P12V0A" (solid, shelved, pour order 233): 306.6,183.68 315.6,183.68 315.6,151.18 306.331,151.18
P12V0 on Layer 7 "Layer 7-P12V0 2" (solid, shelved, pour order 182): 278.1,195.18 278.1,194.18 280.6,194.18 280.6,194.68 283.1,194.68 285.1,196.68 285.1,200.93 286.85,200.93 286.85,199.43 288.35,199.43 288.35,203.43 280.6,203.43 280.6,200.93 280.35,200.93 280.35,197.43
no net on Layer 7 "Layer 7-P3V3F" (solid, shelved, pour order 222): 292.7,220.63 300.6,220.63 301.75,219.48 301.75,204.324 301.809,204.272 301.898,194.18 297.3,194.18 297.3,204.83 295.1,207.03 295.1,216.341 292.7,218.33
N12V0A on Layer 7 "Layer 7-N12V0A" (solid, shelved, pour order 221): 300.85,155.18 306.35,155.18 306.35,183.68 300.85,183.68
P3V3 on Layer 5 "Layer 5-P3V3" (solid, shelved, pour order 242): 274.6,185.68 274.6,193.18 255.35,193.18 255.35,85.93 260.85,85.93 260.85,185.68
P3V3MP on Layer 5 "Layer 5-P3V3MP" (solid, shelved, pour order 49): 217.85,91.68 217.85,90.18 216.85,89.18 216.85,80.68 215.6,80.68 215.6,90.18 217.1,91.68
P3V3MP on Layer 5 "Layer 5-P3V3MP 1" (solid, shelved, pour order 181): 19 vertices, not listed, extent 204.1,152.18 207.85,212.68
P3V3MP on Layer 5 "Layer 5-P3V3MP 2" (solid, shelved, pour order 205): 206.85,146.68 206.85,124.713 205.1,122.963 205.1,119.68 206.1,118.68 206.1,89.43 204.1,89.43 204.1,109.93 204.6,110.43 204.6,118.18 203.35,119.43 203.35,125.593 205.35,127.593 205.35,146.68
P1V8 on Layer 5 "Layer 5-P1V8" (solid, shelved, pour order 243): 189.1,101.93 196.1,101.93 196.1,211.53 189.1,211.53
N6V0A on Layer 5 "Layer 5-N6V0A" (solid, shelved, pour order 212): 31 vertices, not listed, extent 265.6,101.18 277.35,181.68
P12V0A on Layer 5 "Layer 5-P12V0A" (solid, shelved, pour order 209): 313.35,153.93 302.1,153.93 302.1,136.68 302.35,136.68 302.35,135.43 299.85,135.43 299.85,159.43 313.35,159.43
P12V0A on Layer 5 "Layer 5-P12V0A 1" (solid, shelved, pour order 241): 272.6,93.43 272.6,89.18 265.1,89.18 265.1,171.93 272.6,171.93
P12V0 on Layer 5 "Layer 5-P12V0" (solid, shelved, pour order 198): 289.85,197.18 288.6,197.18 287.35,195.93 285.6,195.93 283.35,193.68 277.85,193.68 277.85,201.68 289.85,201.68
no net on Layer 5 "Layer 5-P7V0_URFB" (solid, shelved, pour order 239): 308.6,153.68 319.85,153.68 319.85,136.68 308.35,136.68 308.35,123.18 314.1,123.18 314.1,110.18 302.35,110.18 302.35,153.68
no net on Layer 5 "Layer 5-P4V0" (solid, shelved, pour order 237): 182.6,132.18 188.85,132.18 188.85,203.43 182.6,203.43
no net on Layer 5 "Layer 5-P4V0 1" (solid, shelved, pour order 238): 300.85,92.43 300.85,95.93 300.861,112.919 298.83,114.95 299.099,151.68 291.25,151.68 291.1,98.43 291.1,92.43
no net on Layer 5 "Layer 5-P3V3F" (solid, shelved, pour order 90): 27 vertices, not listed, extent 281.4,176.83 288.6,181.23
no net on Layer 5 "Layer 5-P1V8F" (solid, shelved, pour order 69): 289.5,166.006 289.5,170.054 ccw(c289.424,170.054) 289.424,170.13 284.857,170.13 ccw(c284.857,170.054) 284.781,170.054 284.781,167.78 ccw(c284.857,167.78) 284.8,167.73 285.581,166.852 cw(c285.524,166.801) 285.6,166.801 285.6,166.262 ccw(c285.676,166.262) 285.622,166.208 285.878,165.952 ccw(c285.932,166.006) 285.932,165.93 289.424,165.93 ccw(c289.424,166.006)
N12V0A on Layer 5 "Layer 5-N12V0A" (solid, shelved, pour order 213): 27 vertices, not listed, extent 266.85,95.43 279.35,180.68
no net on Layer 3 "Layer 3-P3V3_CLKDIS5F" (solid, shelved, pour order 45): 467.61,180.545 467.61,181.795 473.11,181.795 474.11,182.795 474.11,186.295 475.36,186.295 475.36,182.795 473.11,180.545
P3V3MP on Layer 3 "Layer 3-P3V3MP" (solid, shelved, pour order 122): 215.6,80.68 244.1,80.68 244.1,81.68 215.6,81.68
P3V3MP on Layer 3 "Layer 3-P3V3MP 1" (solid, shelved, pour order 201): 21 vertices, not listed, extent 276.6,188.93 329.1,202.43
no net on Layer 3 "Layer 3-MGTAVCC" (solid, shelved, pour order 94): 277.599,176.43 279.691,176.43 279.691,186.63 277.599,186.63
no net on Layer 3 "Layer 3-P2V0" (solid, shelved, pour order 244): 182.635,92.321 193.954,92.321 193.954,214.558 182.635,214.558
QSPI2_DQ3 on Layer 2 (split plane): 290 vertices, not listed, extent 442.506,79.915 622.035,227.343
QSPI2_DQ3 on Layer 4 (split plane): 290 vertices, not listed, extent 442.506,79.915 622.035,227.343
QSPI2_DQ3 on Layer 6 (split plane): 290 vertices, not listed, extent 442.506,79.915 622.035,227.343
QSPI2_DQ3 on Layer 8 (split plane): 290 vertices, not listed, extent 442.506,79.915 622.035,227.343
no net on Layer 9 (split plane): 290 vertices, not listed, extent 442.506,79.915 622.035,227.343